# Altium PCB PCB2.PcbDoc (part 3 of 4)
Units mil, origin at the board's own origin, x right, y up, seen from the top; angles counter-clockwise.
Board outline 9200.4 x 4356.3 mil, 4 copper layers (Top Layer, Layer 1, Layer 2, Bottom Layer), stack 23.756 mil thick; 338 components, 1355 nets, 1355 pads, 694 vias.
Unrouted connection lines stored in the file: 1569.
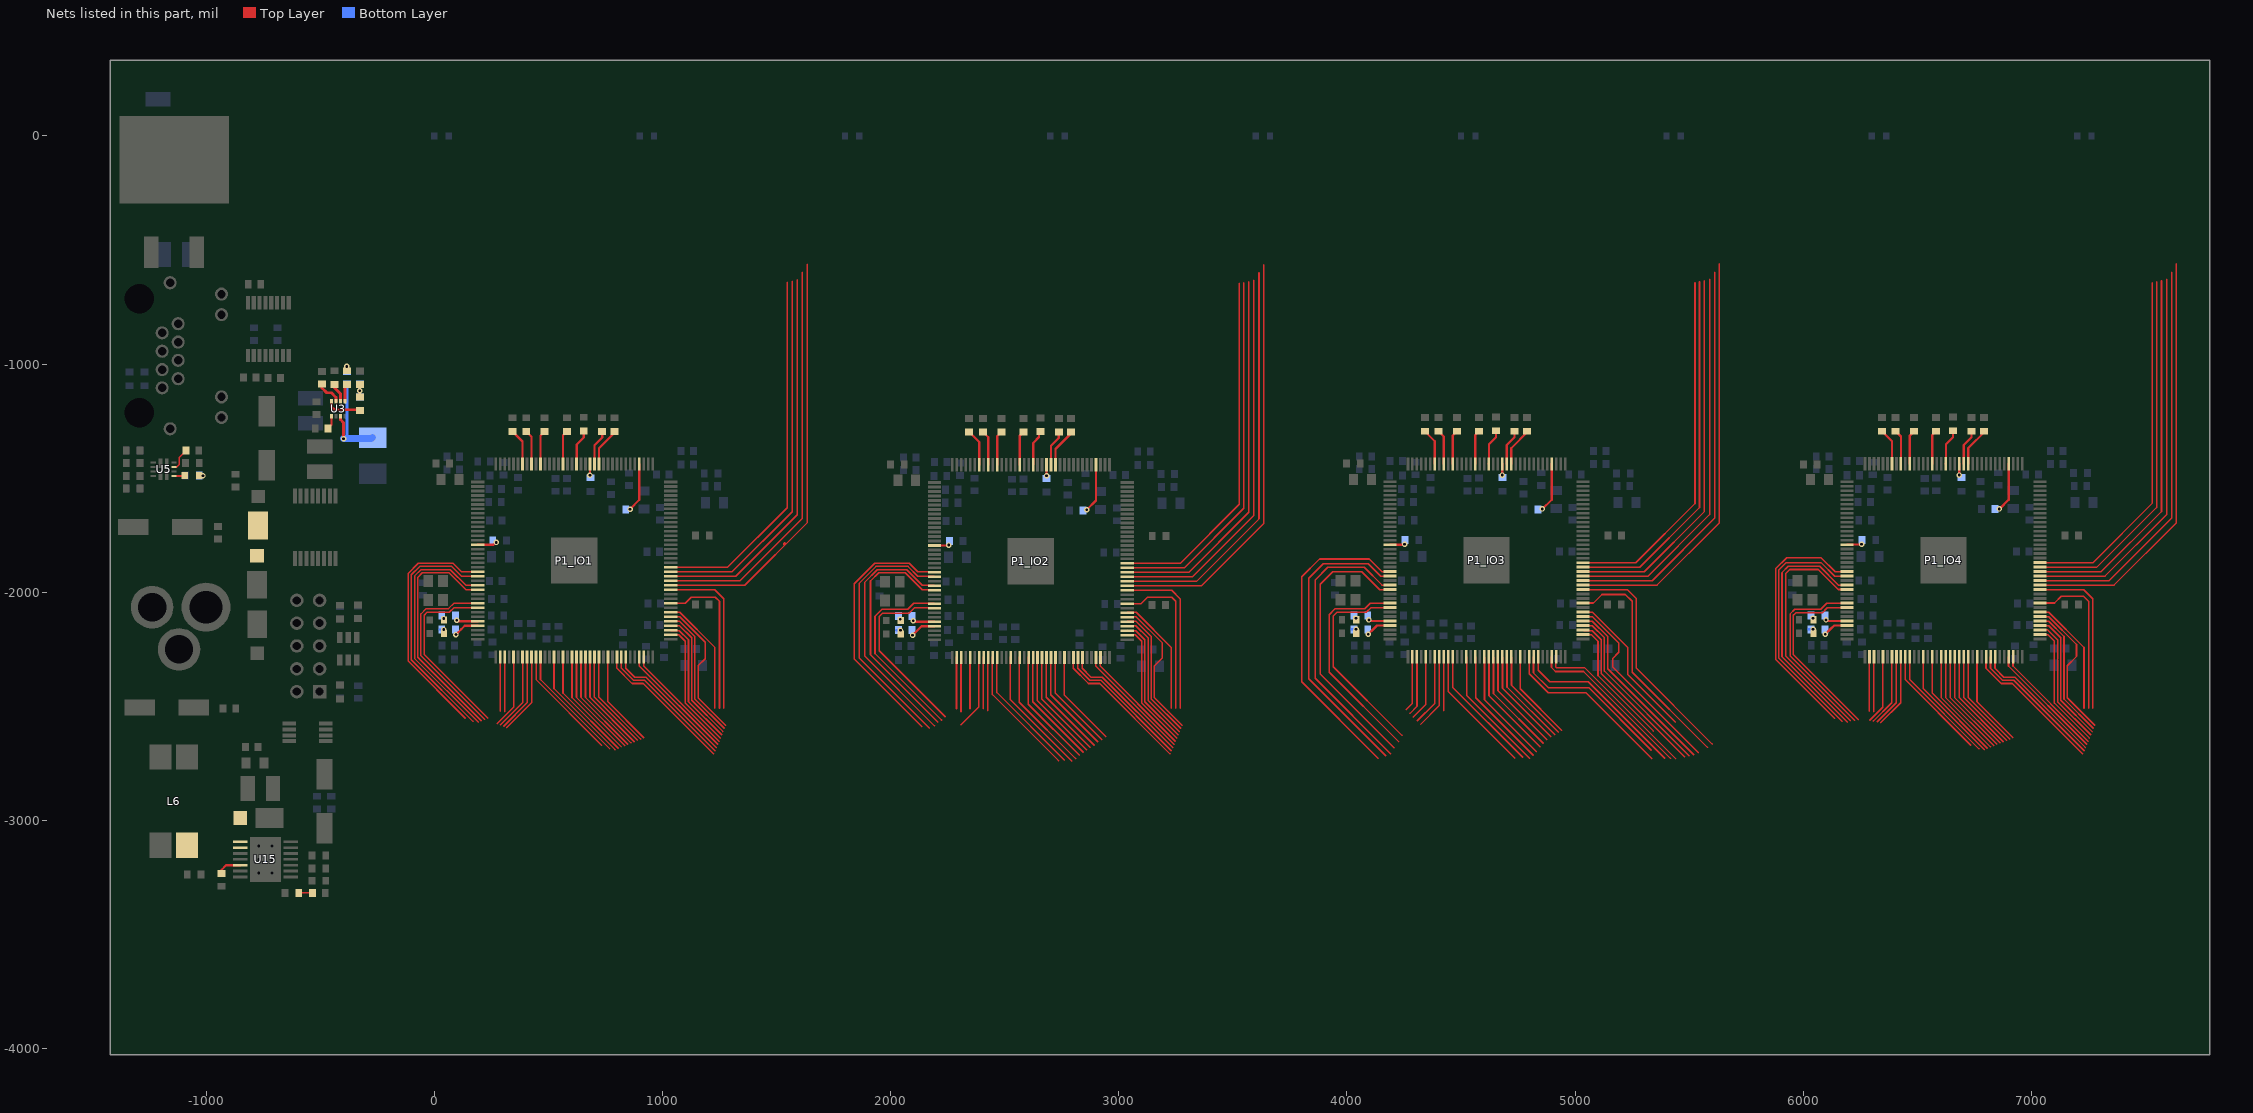
[diagram p5: the nets of this part, all layers, seen from the top]

## Via types
v1: diameter 24, hole 12, Top Layer to Bottom Layer, 694 vias

## Nets (pads, with @x,y where several pads share a name; then routed paths per layer and width w, separated by ;. In a path a pad name is that pad's centre, name@x,y a point inside that pad or via, vN(x,y) a via of type N, cw(c..) or ccw(c..) an arc to the next point about the centre after c; other vN are vias at no path point) (continued)
GPIO_32_IO2: P1_IO2.90 | length 1565.9
  Top Layer w7: P1_IO2.90@3037.32,-1873.5 3037.52,-1873.69 3268.94,-1873.69 3528.36,-1614.27 3528.36,-646.91
GPIO_32_IO3: P1_IO3.90 | length 1565.9
  Top Layer w7: P1_IO3.90@5034.22,-1870.05 5034.42,-1870.24 5265.84,-1870.24 5525.26,-1610.82 5525.26,-643.46
GPIO_32_IO4: P1_IO4.90 | length 1565.9
  Top Layer w7: P1_IO4.90@7037.22,-1869.9 7037.42,-1870.09 7268.84,-1870.09 7528.26,-1610.67 7528.26,-643.31
GPIO_33_IO1: P1_IO1.87 | length 1696.6
  Top Layer w7: P1_IO1.87@1036.22,-1929.95 1036.42,-1930.15 1320.95,-1930.15 1590.92,-1660.18 1590.92,-630.19
GPIO_33_IO2: P1_IO2.87 | length 1696.6
  Top Layer w7: P1_IO2.87@3037.32,-1932.55 3037.52,-1932.75 3322.05,-1932.75 3592.02,-1662.78 3592.02,-632.79
GPIO_33_IO3: P1_IO3.87 | length 1696.6
  Top Layer w7: P1_IO3.87@5034.22,-1929.1 5034.42,-1929.3 5318.95,-1929.3 5588.92,-1659.33 5588.92,-629.34
GPIO_33_IO4: P1_IO4.87 | length 1696.6
  Top Layer w7: P1_IO4.87@7037.22,-1928.95 7037.42,-1929.15 7321.95,-1929.15 7591.92,-1659.18 7591.92,-629.19
GPIO_34_IO1: P1_IO1.88 | length 1651.6
  Top Layer w7: P1_IO1.88@1036.22,-1910.27 1036.42,-1910.46 1304.99,-1910.46 1568.4,-1647.05 1568.4,-636.83
GPIO_34_IO2: P1_IO2.88 | length 1651.6
  Top Layer w7: P1_IO2.88@3037.32,-1912.87 3037.52,-1913.06 3306.09,-1913.06 3569.5,-1649.65 3569.5,-639.43
GPIO_34_IO3: P1_IO3.88 | length 1651.6
  Top Layer w7: P1_IO3.88@5034.22,-1909.42 5034.42,-1909.61 5302.99,-1909.61 5566.4,-1646.2 5566.4,-635.98
GPIO_34_IO4: P1_IO4.88 | length 1651.6
  Top Layer w7: P1_IO4.88@7037.22,-1909.27 7037.42,-1909.46 7305.99,-1909.46 7569.4,-1646.05 7569.4,-635.83
GPIO_35_IO1: P1_IO1.89 | length 1607.2
  Top Layer w7: P1_IO1.89@1036.22,-1890.58 1036.42,-1890.78 1285.54,-1890.78 1546.85,-1629.47 1546.85,-641.21
GPIO_35_IO2: P1_IO2.89 | length 1607.2
  Top Layer w7: P1_IO2.89@3037.32,-1893.18 3037.52,-1893.38 3286.64,-1893.38 3547.95,-1632.07 3547.95,-643.81
GPIO_35_IO3: P1_IO3.89 | length 1607.2
  Top Layer w7: P1_IO3.89@5034.22,-1889.73 5034.42,-1889.93 5283.54,-1889.93 5544.85,-1628.62 5544.85,-640.36
GPIO_35_IO4: P1_IO4.89 | length 1607.2
  Top Layer w7: P1_IO4.89@7037.22,-1889.58 7037.42,-1889.78 7286.54,-1889.78 7547.85,-1628.47 7547.85,-640.21
GPIO_36_IO1: P1_IO1.86 | length 1768.5
  Top Layer w7: P1_IO1.86@1036.22,-1949.64 1036.42,-1949.83 1339.52,-1949.83 1613.45,-1675.91 1613.45,-598.19
GPIO_36_IO2: P1_IO2.86 | length 1768.5
  Top Layer w7: P1_IO2.86@3037.32,-1952.24 3037.52,-1952.43 3340.62,-1952.43 3614.55,-1678.51 3614.55,-600.79
GPIO_36_IO3: P1_IO3.86 | length 1768.5
  Top Layer w7: P1_IO3.86@5034.22,-1948.79 5034.42,-1948.98 5337.52,-1948.98 5611.45,-1675.06 5611.45,-597.34
GPIO_36_IO4: P1_IO4.86 | length 1768.5
  Top Layer w7: P1_IO4.86@7037.22,-1948.64 7037.42,-1948.83 7340.52,-1948.83 7614.45,-1674.91 7614.45,-597.19
GPIO_37_IO1: P1_IO1.85 | length 1846.5
  Top Layer w7: P1_IO1.85@1036.22,-1969.32 1036.42,-1969.52 1360.71,-1969.52 1634.02,-1696.21 1634.02,-561.76
  Top Layer w15: 1534.93,-1787.83 1535.61,-1788.51
GPIO_37_IO2: P1_IO2.85 | length 1845.5
  Top Layer w7: P1_IO2.85@3037.32,-1971.92 3037.52,-1972.12 3361.81,-1972.12 3635.12,-1698.81 3635.12,-564.36
GPIO_37_IO3: P1_IO3.85 | length 1845.5
  Top Layer w7: P1_IO3.85@5034.22,-1968.47 5034.42,-1968.67 5358.71,-1968.67 5632.02,-1695.36 5632.02,-560.91
GPIO_37_IO4: P1_IO4.85 | length 1845.5
  Top Layer w7: P1_IO4.85@7037.22,-1968.32 7037.42,-1968.52 7361.71,-1968.52 7635.02,-1695.21 7635.02,-560.76
GPIO_38_IO1: P1_IO1.25 | length 1045.4
  Top Layer w7: P1_IO1.25@190.71,-1989.01 138.82,-1989.01 64.68,-1914.87 -52.28,-1914.87 -72.28,-1934.86 -72.28,-2284.31 206.33,-2562.91
GPIO_38_IO2: P1_IO2.25 | length 1064.3
  Top Layer w7: P1_IO2.25@2190.71,-1989.01 2138.82,-1989.01 2064.68,-1914.87 1947.72,-1914.87 1911.99,-1950.6 1911.99,-2274.4 2206.33,-2568.73
GPIO_38_IO3: P1_IO3.25 | length 1213.3
  Top Layer w7: P1_IO3.25@4190.71,-1989.01 4143.88,-1989.01 4064.87,-1910 3938.13,-1910 3883.19,-1964.94 3883.19,-2358.24 4206.33,-2681.38
GPIO_38_IO4: P1_IO4.25 | length 1075.3
  Top Layer w7: P1_IO4.25@6191.71,-1988.01 6153.16,-1988.01 6065.52,-1900.37 5940,-1900.37 5922.6,-1917.77 5922.6,-2279.18 6206.33,-2562.91
GPIO_39_IO1: P1_IO1.21 | length 1077.5
  Top Layer w7: 136.29,-2552.26 -114.28,-2301.7 -114.28,-1917.47 -69.68,-1872.87 82.08,-1872.87 119.48,-1910.27 P1_IO1.21@190.71,-1910.27
GPIO_39_IO2: P1_IO2.21 | length 1151
  Top Layer w7: 2136.29,-2588.25 1840.43,-2292.39 1840.43,-1962.76 1930.32,-1872.87 2082.08,-1872.87 2119.48,-1910.27 P1_IO2.21@2190.71,-1910.27
GPIO_39_IO3: P1_IO3.21 | length 1377.3
  Top Layer w7: 4136.29,-2726.87 3802.18,-2392.77 3802.18,-1931.83 3879.79,-1854.22 4097.23,-1854.22 4153.28,-1910.27 P1_IO3.21@4190.71,-1910.27
GPIO_39_IO4: P1_IO4.21 | length 1120.5
  Top Layer w7: 6136.29,-2552.26 5878.18,-2294.16 5878.18,-1897.14 5927.07,-1848.25 6077.62,-1848.25 6139.64,-1910.27 P1_IO4.21@6190.71,-1910.27
GPIO_40_IO1: P1_IO1.22 | length 1078.5
  Top Layer w7: 169.83,-2566.01 -100.28,-2295.9 -100.28,-1923.27 -63.88,-1886.87 76.28,-1886.87 119.36,-1929.95 P1_IO1.22@190.71,-1929.95
GPIO_40_IO2: P1_IO2.22 | length 1138
  Top Layer w7: 2169.83,-2595.25 1863.2,-2288.63 1863.2,-1959.79 1936.12,-1886.87 2076.28,-1886.87 2119.36,-1929.95 P1_IO2.22@2190.71,-1929.95
GPIO_40_IO3: P1_IO3.22 | length 1325.8
  Top Layer w7: 4169.83,-2716.76 3831.85,-2378.78 3831.85,-1939.05 3895.77,-1875.12 4093.14,-1875.12 4147.97,-1929.95 P1_IO3.22@4190.71,-1929.95
GPIO_40_IO4: P1_IO4.22 | length 1115.1
  Top Layer w7: 6169.83,-2566.01 5892.18,-2288.36 5892.18,-1902.94 5925.12,-1870 6077.64,-1870 6137.6,-1929.95 P1_IO4.22@6190.71,-1929.95
GPIO_41_IO1: P1_IO1.24 | length 1072.1
  Top Layer w7: P1_IO1.24@190.71,-1969.32 138.93,-1969.32 70.48,-1900.87 -58.08,-1900.87 -86.28,-1929.06 -86.28,-2290.11 192.33,-2568.71
GPIO_41_IO2: P1_IO2.24 | length 1111.1
  Top Layer w7: P1_IO2.24@2190.71,-1969.32 2138.93,-1969.32 2070.48,-1900.87 1941.92,-1900.87 1887.27,-1955.52 1887.27,-2280.78 2192.33,-2585.83
GPIO_41_IO3: P1_IO3.24 | length 1284.3
  Top Layer w7: P1_IO3.24@4189.81,-1968.42 4153.28,-1968.42 4075.42,-1890.57 3916.26,-1890.57 3860.37,-1946.46 3860.37,-2376.5 4192.33,-2708.46
GPIO_41_IO4: P1_IO4.24 | length 1103.7
  Top Layer w7: P1_IO4.24@6190.71,-1969.32 6154.28,-1969.32 6071.32,-1886.37 5933.67,-1886.37 5906.18,-1913.86 5906.18,-2282.56 6192.33,-2568.71
GPIO_42_IO1: P1_IO1.39 | length 239.5
  Top Layer w7: 308.35,-2523.29 P1_IO1.39@308.35,-2283.81
GPIO_42_IO2: P1_IO2.39 | length 239.5
  Top Layer w7: 2308.35,-2523.29 P1_IO2.39@2308.35,-2283.81
GPIO_42_IO3: P1_IO3.39 | length 260.9
  Top Layer w7: 4276,-2530.89 4306.85,-2500.04 4306.85,-2283.46 P1_IO3.39@4306.35,-2282.96
GPIO_42_IO4: P1_IO4.39 | length 239.5
  Top Layer w7: 6308.35,-2523.29 P1_IO4.39@6308.35,-2283.81
GPIO_43_IO1: P1_IO1.28 | length 845.8
  Top Layer w7: P1_IO1.28@190.71,-2048.06 86.35,-2048.06 62.78,-2071.63 -34.71,-2071.63 -58.28,-2095.2 -58.28,-2278.51 220.33,-2557.11
GPIO_43_IO2: P1_IO2.28 | length 858
  Top Layer w7: P1_IO2.28@2190.71,-2048.06 2101.94,-2048.06 2075.67,-2074.33 1962.6,-2074.33 1931.51,-2105.42 1931.51,-2268.29 2222.97,-2559.75
GPIO_43_IO3: P1_IO3.28 | length 971.4
  Top Layer w7: P1_IO3.28@4190.71,-2048.06 4101.94,-2048.06 4077.67,-2072.33 3947.88,-2072.33 3922.11,-2098.1 3922.11,-2350.39 4226,-2654.28
GPIO_43_IO4: P1_IO4.28 | length 851.6
  Top Layer w7: P1_IO4.28@6190.71,-2048.06 6101.94,-2048.06 6075.67,-2074.33 5962.6,-2074.33 5941.72,-2095.2 5941.72,-2278.51 6224.42,-2561.21
GPIO_44_IO1: P1_IO1.29 | length 814.5
  Top Layer w7: P1_IO1.29@190.71,-2067.75 86.46,-2067.75 66.08,-2088.13 -31.41,-2088.13 -44.28,-2101 -44.28,-2272.71 234.33,-2551.31
GPIO_44_IO2: P1_IO2.29 | length 815.3
  Top Layer w7: P1_IO2.29@2190.71,-2067.75 2104.99,-2067.75 2080.7,-2092.04 1964.69,-2092.04 1950.37,-2106.35 1950.37,-2255.75 2240,-2545.38
GPIO_44_IO3: P1_IO3.29 | length 913.8
  Top Layer w7: P1_IO3.29@4190.71,-2067.75 4104.99,-2067.75 4084.97,-2087.77 3956.52,-2087.77 3940,-2104.29 3940,-2326.07 4241.35,-2627.41
GPIO_44_IO4: P1_IO4.29 | length 824.2
  Top Layer w7: P1_IO4.29@6190.71,-2067.75 6104.99,-2067.75 6082.21,-2090.53 5966.2,-2090.53 5955.72,-2101 5955.72,-2272.71 6241.21,-2558.19
GPIO_45_IO1: P1_IO1.38 | length 237.5
  Top Layer w7: 288.66,-2521.34 P1_IO1.38@288.66,-2283.81
GPIO_45_IO2: P1_IO2.38 | length 227
  Top Layer w7: 2288.66,-2510.79 P1_IO2.38@2288.66,-2283.81
GPIO_45_IO3: P1_IO3.38 | length 242.3
  Top Layer w7: 4260,-2514.23 4286.38,-2487.85 4286.38,-2283.25 P1_IO3.38@4286.66,-2282.96
GPIO_45_IO4: P1_IO4.38 | length 237.5
  Top Layer w7: 6288.66,-2521.34 P1_IO4.38@6288.66,-2283.81
GPIO_46_IO1: P1_IO1.45 | length 353.5
  Top Layer w7: 318.33,-2592.51 426.46,-2484.37 P1_IO1.45@426.46,-2283.81
GPIO_46_IO2: P1_IO2.45 | length 235.8
  Top Layer w7: 2426.46,-2519.63 P1_IO2.45@2426.46,-2283.81
GPIO_46_IO3: P1_IO3.45 | length 236.6
  Top Layer w7: 4423.38,-2519.09 4423.38,-2284.05 P1_IO3.45@4424.46,-2282.96
GPIO_46_IO4: P1_IO4.45 | length 323.2
  Top Layer w7: 6339.71,-2571.12 6426.46,-2484.37 P1_IO4.45@6426.46,-2283.81
GPIO_47_IO1: P1_IO1.41 | length 320.9
  Top Layer w7: 276.33,-2575.11 347.72,-2503.72 P1_IO1.41@347.72,-2283.81
GPIO_47_IO2: P1_IO2.41 | length 227.2
  Top Layer w7: 2347.72,-2510.98 P1_IO2.41@2347.72,-2283.81
GPIO_47_IO3: P1_IO3.41 | length 286.8
  Top Layer w7: 4290.88,-2547.05 4345.68,-2492.25 P1_IO3.41@4345.72,-2282.96 P1_IO3.41@4345.72,-2282.96
GPIO_47_IO4: P1_IO4.41 | length 300.3
  Top Layer w7: 6290.9,-2560.54 6347.72,-2503.72 P1_IO4.41@6347.72,-2283.81
GPIO_48_IO1: P1_IO1.43 | length 337.2
  Top Layer w7: 290.33,-2580.91 387.09,-2484.14 P1_IO1.43@387.09,-2283.81
GPIO_48_IO2: P1_IO2.43 | length 329.8
  Top Layer w7: 2308.13,-2580.93 2387.09,-2501.98 P1_IO2.43@2387.09,-2283.81
GPIO_48_IO3: P1_IO3.43 | length 312.3
  Top Layer w7: 4307.95,-2563.28 4384.01,-2487.23 4384.01,-2284.05 P1_IO3.43@4385.09,-2282.96
GPIO_48_IO4: P1_IO4.43 | length 313.6
  Top Layer w7: 6307.01,-2564.22 6387.09,-2484.14 P1_IO4.43@6387.09,-2283.81
GPIO_49_IO1: P1_IO1.44 | length 345.3
  Top Layer w7: 304.33,-2586.71 406.77,-2484.26 P1_IO1.44@406.77,-2283.81
GPIO_49_IO2: P1_IO2.44 | length 226.6
  Top Layer w7: 2406.77,-2510.43 P1_IO2.44@2406.77,-2283.81
GPIO_49_IO3: P1_IO3.44 | length 330.2
  Top Layer w7: 4322.56,-2579.06 4403.69,-2497.94 4403.69,-2284.05 P1_IO3.44@4404.77,-2282.96
GPIO_49_IO4: P1_IO4.44 | length 317.8
  Top Layer w7: 6323.8,-2567.24 6406.77,-2484.26 P1_IO4.44@6406.77,-2283.81
GPIO_50_IO1: P1_IO1.52 | length 500.1
  Top Layer w7: P1_IO1.52@564.26,-2283.81 564.26,-2441.53 806.33,-2683.6
GPIO_50_IO2: P1_IO2.52 | length 547
  Top Layer w7: P1_IO2.52@2564.26,-2283.81 2564.26,-2482.32 2810.66,-2728.73
GPIO_50_IO3: P1_IO3.52 | length 534.5
  Top Layer w7: P1_IO3.52@4564.26,-2283.81 4564.26,-2462.3 4816,-2714.04
GPIO_50_IO4: P1_IO4.52 | length 500.1
  Top Layer w7: P1_IO4.52@6564.26,-2283.81 6564.26,-2441.53 6806.33,-2683.6
GPIO_51_IO1: P1_IO1.46 | length 505.2
  Top Layer w7: P1_IO1.46@446.14,-2283.81 446.14,-2382.82 733.39,-2670.06
GPIO_51_IO2: P1_IO2.46 | length 573.8
  Top Layer w7: P1_IO2.46@2446.14,-2283.81 2446.14,-2447.92 2735.83,-2737.6
GPIO_51_IO3: P1_IO3.46 | length 565
  Top Layer w7: P1_IO3.46@4444.14,-2282.96 4443.06,-2284.05 4443.06,-2433.64 4735.7,-2726.29
GPIO_51_IO4: P1_IO4.46 | length 505.2
  Top Layer w7: P1_IO4.46@6446.14,-2283.81 6446.14,-2382.82 6733.39,-2670.06
GPIO_52_IO1: P1_IO1.47 | length 528.8
  Top Layer w7: P1_IO1.47@465.83,-2283.81 465.83,-2382.7 769.83,-2686.7
GPIO_52_IO2: P1_IO2.47 | length 574.1
  Top Layer w7: P1_IO2.47@2465.83,-2283.81 2465.83,-2439.76 2761.48,-2735.41
GPIO_52_IO3: P1_IO3.47 | length 568.3
  Top Layer w7: P1_IO3.47@4463.83,-2282.96 4462.75,-2284.05 4462.75,-2416.56 4769.83,-2723.64
GPIO_52_IO4: P1_IO4.47 | length 528.8
  Top Layer w7: P1_IO4.47@6465.83,-2283.81 6465.83,-2382.7 6769.83,-2686.7
GPIO_53_IO1: P1_IO1.50 | length 516.4
  Top Layer w7: P1_IO1.50@524.89,-2283.81 524.89,-2421.96 792.33,-2689.4
GPIO_53_IO2: P1_IO2.50 | length 568.9
  Top Layer w7: P1_IO2.50@2524.89,-2283.81 2524.89,-2471.23 2794.6,-2740.95
GPIO_53_IO3: P1_IO3.50 | length 557.5
  Top Layer w7: P1_IO3.50@4524.89,-2283.81 4524.89,-2452.28 4800,-2727.4
GPIO_53_IO4: P1_IO4.50 | length 516.4
  Top Layer w7: P1_IO4.50@6524.89,-2283.81 6524.89,-2421.96 6792.33,-2689.4
GPIO_54_IO1: P1_IO1.57 | length 459.3
  Top Layer w7: P1_IO1.57@662.68,-2283.81 662.68,-2460.76 862.33,-2660.41
GPIO_54_IO2: P1_IO2.57 | length 483.8
  Top Layer w7: P1_IO2.57@2662.68,-2283.81 2662.68,-2468.2 2874.38,-2679.9
GPIO_54_IO3: P1_IO3.57 | length 451.9
  Top Layer w7: P1_IO3.57@4660.68,-2282.96 4661.82,-2284.1 4661.82,-2431.44 4876,-2645.63
GPIO_54_IO4: P1_IO4.57 | length 459.3
  Top Layer w7: P1_IO4.57@6662.68,-2283.81 6662.68,-2460.76 6862.33,-2660.41
GPIO_55_IO1: P1_IO1.54 | length 483.8
  Top Layer w7: P1_IO1.54@603.63,-2283.81 603.63,-2461.1 820.33,-2677.8
GPIO_55_IO2: P1_IO2.54 | length 523.2
  Top Layer w7: P1_IO2.54@2603.63,-2283.81 2603.63,-2490.59 2827.36,-2714.32
GPIO_55_IO3: P1_IO3.54 | length 509.6
  Top Layer w7: P1_IO3.54@4601.63,-2282.96 4602.76,-2284.1 4602.76,-2470.72 4830,-2697.96
GPIO_55_IO4: P1_IO4.54 | length 483.8
  Top Layer w7: P1_IO4.54@6603.63,-2283.81 6603.63,-2461.1 6820.33,-2677.8
GPIO_56_IO1: P1_IO1.55 | length 475.6
  Top Layer w7: P1_IO1.55@623.31,-2283.81 623.31,-2460.99 834.33,-2672
GPIO_56_IO2: P1_IO2.55 | length 508.7
  Top Layer w7: P1_IO2.55@2623.31,-2283.81 2623.31,-2480.3 2844.06,-2701.05
GPIO_56_IO3: P1_IO3.55 | length 487.4
  Top Layer w7: P1_IO3.55@4621.31,-2282.96 4622.44,-2284.1 4622.44,-2453.71 4846,-2677.27
GPIO_56_IO4: P1_IO4.55 | length 475.6
  Top Layer w7: P1_IO4.55@6623.31,-2283.81 6623.31,-2460.99 6834.33,-2672
GPIO_57_IO1: P1_IO1.56 | length 467.4
  Top Layer w7: P1_IO1.56@643,-2283.81 643,-2460.87 848.33,-2666.21
GPIO_57_IO2: P1_IO2.56 | length 496.9
  Top Layer w7: P1_IO2.56@2643,-2283.81 2643,-2474.53 2859.47,-2691.01
GPIO_57_IO3: P1_IO3.56 | length 469.7
  Top Layer w7: P1_IO3.56@4641,-2282.96 4642.13,-2284.1 4642.13,-2444.05 4860,-2661.92
GPIO_57_IO4: P1_IO4.56 | length 467.4
  Top Layer w7: P1_IO4.56@6643,-2283.81 6643,-2460.87 6848.33,-2666.21
GPIO_58_IO1: P1_IO1.62 | length 418.5
  Top Layer w7: P1_IO1.62@761.11,-2283.81 761.11,-2479.99 918.33,-2637.21
GPIO_58_IO2: P1_IO2.62 | length 424.4
  Top Layer w7: P1_IO2.62@2761.11,-2283.81 2761.11,-2450.13 2943.61,-2632.63
GPIO_58_IO3: P1_IO3.62 | length 396.4
  Top Layer w7: P1_IO3.62@4759.11,-2282.96 4758.78,-2283.29 4758.78,-2422.96 4940,-2604.18
GPIO_58_IO4: P1_IO4.62 | length 418.5
  Top Layer w7: P1_IO4.62@6761.11,-2283.81 6761.11,-2479.99 6918.33,-2637.21
GPIO_59_IO1: P1_IO1.58 | length 451.1
  Top Layer w7: P1_IO1.58@682.37,-2283.81 682.37,-2460.65 876.33,-2654.61
GPIO_59_IO2: P1_IO2.58 | length 473.6
  Top Layer w7: P1_IO2.58@2682.37,-2283.81 2682.37,-2460.65 2892.23,-2670.51
GPIO_59_IO3: P1_IO3.58 | length 438.6
  Top Layer w7: P1_IO3.58@4680.37,-2282.96 4681.5,-2284.1 4681.5,-2421.04 4893.7,-2633.24
GPIO_59_IO4: P1_IO4.58 | length 451.1
  Top Layer w7: P1_IO4.58@6682.37,-2283.81 6682.37,-2460.65 6876.33,-2654.61
GPIO_60_IO1: P1_IO1.59 | length 443
  Top Layer w7: P1_IO1.59@702.05,-2283.81 702.05,-2460.53 890.33,-2648.81
GPIO_60_IO2: P1_IO2.59 | length 456.3
  Top Layer w7: P1_IO2.59@2702.05,-2283.81 2702.05,-2449.32 2907.64,-2654.92
GPIO_60_IO3: P1_IO3.59 | length 427.9
  Top Layer w7: P1_IO3.59@4700.05,-2282.96 4701.19,-2284.1 4701.19,-2415.05 4910,-2623.86
GPIO_60_IO4: P1_IO4.59 | length 443
  Top Layer w7: P1_IO4.59@6702.05,-2283.81 6702.05,-2460.53 6890.33,-2648.81
GPIO_61_IO1: P1_IO1.60 | length 434.8
  Top Layer w7: P1_IO1.60@721.74,-2283.81 721.74,-2460.42 904.33,-2643.01
GPIO_61_IO2: P1_IO2.60 | length 445.8
  Top Layer w7: P1_IO2.60@2721.74,-2283.81 2721.74,-2441.29 2925.63,-2645.19
GPIO_61_IO3: P1_IO3.60 | length 415.2
  Top Layer w7: P1_IO3.60@4719.74,-2282.96 4720.87,-2284.1 4720.87,-2407.58 4926,-2612.71
GPIO_61_IO4: P1_IO4.60 | length 434.8
  Top Layer w7: P1_IO4.60@6721.74,-2283.81 6721.74,-2460.42 6904.33,-2643.01
GPIO_62_IO1: P1_IO1.69 | length 524.8
  Top Layer w7: P1_IO1.69@898.9,-2283.81 898.9,-2323.46 1241.97,-2666.53
GPIO_62_IO2: P1_IO2.69 | length 524.8
  Top Layer w7: P1_IO2.69@2898.9,-2283.81 2898.9,-2323.46 3241.97,-2666.53
GPIO_62_IO3: P1_IO3.69 | length 733.7
  Top Layer w7: P1_IO3.69@4896.9,-2282.96 4896.1,-2283.76 4896.1,-2329.31 4913.94,-2347.16 5036.92,-2347.16 5417.88,-2728.12
GPIO_62_IO4: P1_IO4.69 | length 524.8
  Top Layer w7: P1_IO4.69@6898.9,-2283.81 6898.9,-2323.46 7241.97,-2666.53
GPIO_63_IO1: P1_IO1.64 | length 629.2
  Top Layer w7: P1_IO1.64@800.48,-2283.81 800.48,-2333.55 866.92,-2400 916.04,-2400 1224.57,-2708.53
GPIO_63_IO2: P1_IO2.64 | length 629.2
  Top Layer w7: P1_IO2.64@2800.48,-2283.81 2800.48,-2333.55 2866.92,-2400 2916.04,-2400 3224.57,-2708.53
GPIO_63_IO3: P1_IO3.64 | length 766.3
  Top Layer w7: P1_IO3.64@4798.48,-2282.96 4798.48,-2357.34 4881.83,-2440.7 5047.7,-2440.7 5336.29,-2729.29
GPIO_63_IO4: P1_IO4.64 | length 629.2
  Top Layer w7: P1_IO4.64@6800.48,-2283.81 6800.48,-2333.55 6866.92,-2400 6916.04,-2400 7224.57,-2708.53
GPIO_64_IO1: P1_IO1.65 | length 609.3
  Top Layer w7: P1_IO1.65@820.16,-2283.93 820.16,-2333.44 872.72,-2386 921.84,-2386 1230.37,-2694.53
GPIO_64_IO2: P1_IO2.65 | length 609.3
  Top Layer w7: P1_IO2.65@2820.16,-2283.93 2820.16,-2333.44 2872.72,-2386 2921.84,-2386 3230.37,-2694.53
GPIO_64_IO3: P1_IO3.65 | length 726.7
  Top Layer w7: P1_IO3.65@4818.16,-2282.96 4817.44,-2283.68 4817.44,-2353.56 4882.95,-2419.07 5060.31,-2419.07 5333.12,-2691.89
GPIO_64_IO4: P1_IO4.65 | length 609.3
  Top Layer w7: P1_IO4.65@6820.16,-2283.93 6820.16,-2333.44 6872.72,-2386 6921.84,-2386 7230.37,-2694.53
GPIO_65_IO1: P1_IO1.66 | length 589.7
  Top Layer w7: P1_IO1.66@839.85,-2283.81 839.85,-2333.33 878.52,-2372 927.64,-2372 1236.17,-2680.53
GPIO_65_IO2: P1_IO2.66 | length 589.7
  Top Layer w7: P1_IO2.66@2839.85,-2283.81 2839.85,-2333.33 2878.52,-2372 2927.64,-2372 3236.17,-2680.53
GPIO_65_IO3: P1_IO3.66 | length 772.9
  Top Layer w7: P1_IO3.66@4837.85,-2282.96 4837.85,-2341.38 4889.04,-2392.58 5057.12,-2392.58 5392.33,-2727.78
GPIO_65_IO4: P1_IO4.66 | length 589.7
  Top Layer w7: P1_IO4.66@6839.85,-2283.81 6839.85,-2333.33 6878.52,-2372 6927.64,-2372 7236.17,-2680.53
GPIO_66_IO1: P1_IO1.76 | length 581.5
  Top Layer w7: P1_IO1.76@1036.22,-2146.49 1074.83,-2146.49 1128.2,-2199.86 1128.2,-2473.56 1265.17,-2610.53
GPIO_66_IO2: P1_IO2.76 | length 581.5
  Top Layer w7: P1_IO2.76@3036.22,-2146.49 3074.83,-2146.49 3128.2,-2199.86 3128.2,-2473.56 3265.17,-2610.53
GPIO_66_IO3: P1_IO3.76 | length 785.6
  Top Layer w7: P1_IO3.76@5036.22,-2146.49 5074.83,-2146.49 5128.2,-2199.86 5128.2,-2345.57 5500,-2717.37
GPIO_66_IO4: P1_IO4.76 | length 581.5
  Top Layer w7: P1_IO4.76@7036.22,-2146.49 7074.83,-2146.49 7128.2,-2199.86 7128.2,-2473.56 7265.17,-2610.53
GPIO_67_IO1: P1_IO1.70 | length 505.1
  Top Layer w7: P1_IO1.70@918.59,-2283.81 918.59,-2323.35 1247.77,-2652.53
GPIO_67_IO2: P1_IO2.70 | length 505.1
  Top Layer w7: P1_IO2.70@2918.59,-2283.81 2918.59,-2323.35 3247.77,-2652.53
GPIO_67_IO3: P1_IO3.70 | length 735.6
  Top Layer w7: P1_IO3.70@4916.59,-2282.96 4915.56,-2283.98 4915.56,-2327.38 4919.66,-2331.48 5042.67,-2331.48 5440,-2728.8
GPIO_67_IO4: P1_IO4.70 | length 505.1
  Top Layer w7: P1_IO4.70@6918.59,-2283.81 6918.59,-2323.35 7247.77,-2652.53
GPIO_68_IO1: P1_IO1.74 | length 563.5
  Top Layer w7: P1_IO1.74@1036.22,-2185.86 1071.76,-2185.86 1100.2,-2214.3 1100.2,-2485.16 1253.57,-2638.53
GPIO_68_IO2: P1_IO2.74 | length 563.5
  Top Layer w7: P1_IO2.74@3036.22,-2185.86 3071.76,-2185.86 3100.2,-2214.3 3100.2,-2485.16 3253.57,-2638.53
GPIO_68_IO3: P1_IO3.74 | length 569.9
  Top Layer w7: P1_IO3.74@5036.22,-2185.86 5071.76,-2185.86 5100.2,-2214.3 5100.2,-2365.02 5343.01,-2607.83
GPIO_68_IO4: P1_IO4.74 | length 563.5
  Top Layer w7: P1_IO4.74@7036.22,-2185.86 7071.76,-2185.86 7100.2,-2214.3 7100.2,-2485.16 7253.57,-2638.53
GPIO_69_IO1: P1_IO1.75 | length 571.7
  Top Layer w7: P1_IO1.75@1036.22,-2166.17 1038.63,-2168.58 1074.28,-2168.58 1114.2,-2208.5 1114.2,-2479.36 1259.37,-2624.53
GPIO_69_IO2: P1_IO2.75 | length 571.7
  Top Layer w7: P1_IO2.75@3036.22,-2166.17 3038.63,-2168.58 3074.28,-2168.58 3114.2,-2208.5 3114.2,-2479.36 3259.37,-2624.53
GPIO_69_IO3: P1_IO3.75 | length 760
  Top Layer w7: P1_IO3.75@5036.22,-2166.17 5038.63,-2168.58 5074.28,-2168.58 5114.2,-2208.5 5114.2,-2355.7 5480,-2721.5
GPIO_69_IO4: P1_IO4.75 | length 571.1
  Top Layer w7: P1_IO4.75@7037.22,-2165.17 7070.87,-2165.17 7114.2,-2208.5 7114.2,-2479.36 7259.37,-2624.53
GPIO_70_IO1: P1_IO1.81 | length 700.9
  Top Layer w7: P1_IO1.81@1036.22,-2048.06 1099.62,-2048.06 1125.88,-2021.8 1231.8,-2021.8 1250,-2040 1250,-2508.73
GPIO_70_IO2: P1_IO2.81 | length 700.9
  Top Layer w7: P1_IO2.81@3037.32,-2050.66 3037.99,-2050 3097.68,-2050 3125.88,-2021.8 3231.8,-2021.8 3250,-2040 3250,-2508.73
GPIO_70_IO3: P1_IO3.81 | length 1020.3
  Top Layer w7: P1_IO3.81@5034.22,-2047.21 5037.32,-2047.21 5080.07,-2047.21 5117.28,-2010 5220,-2010 5250,-2040 5250,-2350 5580,-2680
GPIO_70_IO4: P1_IO4.81 | length 703.2
  Top Layer w7: P1_IO4.81@7037.22,-2047.06 7100.62,-2047.06 7130.39,-2017.3 7227.3,-2017.3 7250,-2040 7250,-2508.73
GPIO_71_IO1: P1_IO1.77 | length 589.6
  Top Layer w7: P1_IO1.77@1036.22,-2126.8 1074.94,-2126.8 1142.2,-2194.06 1142.2,-2467.77 1270.97,-2596.53
GPIO_71_IO2: P1_IO2.77 | length 589.6
  Top Layer w7: P1_IO2.77@3036.22,-2126.8 3074.94,-2126.8 3142.2,-2194.06 3142.2,-2467.77 3270.97,-2596.53
GPIO_71_IO3: P1_IO3.77 | length 808.8
  Top Layer w7: P1_IO3.77@5036.22,-2126.8 5074.94,-2126.8 5142.2,-2194.06 5142.2,-2334.7 5520,-2712.5